# Allegro board A733_PRO2_AXP318_LPDDR4_4X_200BALL_32X1_V1_1.brd (continued)
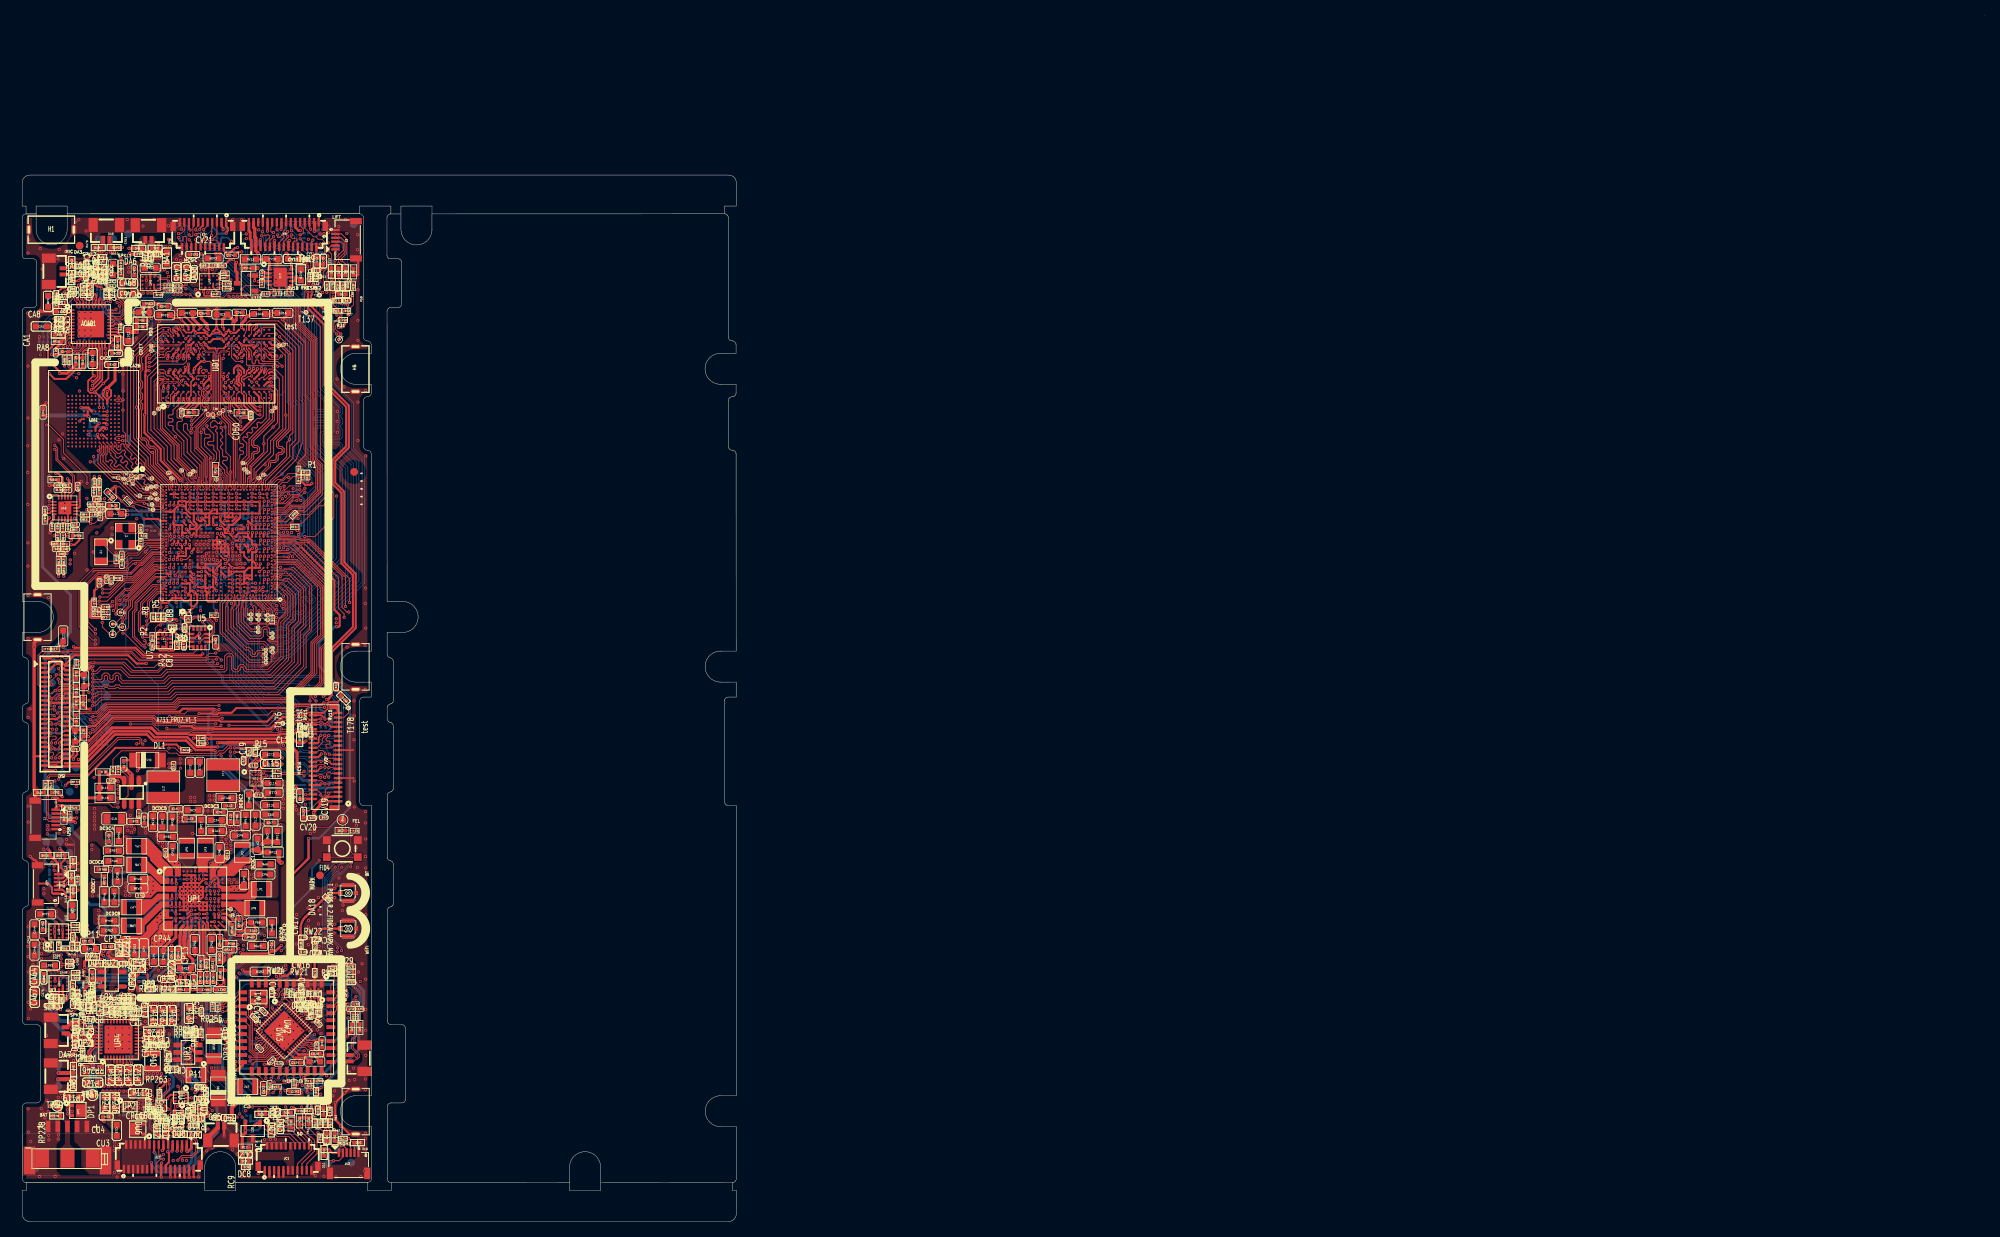
[diagram p0: board, top side]
## Routing (per net, layer and track width the routed paths; a pad name or vN(x,y) marks a point on that pad's centre or on a via; arc(x,y) is an arc through that point) (continued)
  L4 w0.254: v1(9.05,108.41) 8.86,108.41 8.05,107.59 8.05,107.15 6.28,105.38 6.28,94.12 7.2,93.2 7.2,75.01 10.01,72.19 10.01,60.71 7.51,58.2 7.51,51.4 6.48,50.38 6.48,48.56 4.34,46.42 3.92,46.42 3.86,46.35 v1(3.84,46.35)
  BOTTOM w0.305: v1(3.84,46.35) 3.5,46.01 CA31.1 2.95,46.44 RA74.1
HPOUTR-1: length 6.5
  TOP w0.254: DA13.2 5.96,45.77 v1(5.9,45.83) 5.81,45.75 5.81,44.26 5.35,43.8 JA7.3
  BOTTOM w0.254: RA75.2 5.9,45.83 v1(5.9,45.83) 6,45.83 6.07,45.9 6.08,45.9 6.41,46.23 6.41,47.23 TP99.1
HPOUTR-2: length 118.7
  TOP w0.203: UA1.19 10.26,112.89 10.33,112.82 10.33,108.58 9.22,107.47 9.05,107.47 v1(8.92,107.34)
  TOP w0.254: UU3.9 v1(21.83,15.95)
  L3 w0.254: v1(21.83,15.95) 20.39,15.95 19.67,16.68 18.19,16.68 17.01,17.86 15.52,17.86 13.83,19.54 10.65,19.54 7.74,22.45 7.08,22.45 4.97,24.56 4.97,25.07 2.89,27.15 2.89,32.43 3.93,33.47 3.93,36.55 3.65,36.83 3.65,41.05 4.2,41.6 4.2,44.14 3.9,44.45 3.9,45.09 v1(4.13,45.32)
  L4 w0.254: v1(4.13,45.32) 4.23,45.42 4.37,45.42 7.21,48.26 7.21,50.05 8.24,51.08 8.24,57.91 10.73,60.4 10.73,72.52 7.91,75.34 7.91,93.57 6.99,94.49 6.99,105.04 8.78,106.83 8.78,107.2 v1(8.92,107.34)
  BOTTOM w0.254: RA75.1 4.74,45.23 CA29.1 4.23,45.22 v1(4.13,45.32)
HS-MIC-1: length 4.3
  TOP w0.254: DA16.2 6.44,41.82 v1(5.86,41.82) 5.61,42.07 5.61,42.39 5.2,42.8 JA7.5
  BOTTOM w0.102: TP100.1 6.18,41.46 5.86,41.78 v1(5.86,41.82) 5.12,41.82 RA72.2
HS-MIC-2: length 128.5
  TOP w0.102: v1(22.46,13.93) 22.6,14.07 UU2.C3
  L4 w0.102: v1(22.46,13.93) 22.46,16.22 22.79,16.55 22.79,17.81 22.3,18.3 19.86,18.3 19.35,17.8 19.35,17.54 19.14,17.34 17.15,17.34 16.8,17.69 15.31,17.69 14.3,18.71 9.87,18.71 5.62,22.95 5.62,24.9 3.11,27.41 3.11,33.75 3.35,33.99 3.35,39.79 v1(4.36,40.8) 4.36,41.18 3.72,41.82 3.72,42.66 2.65,43.73 2.65,46.85 3.76,47.96 3.76,51.24 2.98,52.02 2.98,66.99 2.94,67.03 2.94,72.76 6.26,76.08 6.26,83.87 5.71,84.42 5.24,84.42 1.66,88 1.66,111.12 v1(2.34,111.81)
  BOTTOM w0.102: v1(4.36,40.8) 4.36,40.82 4.48,40.93 RA72.1 ; RA30.1 4.19,116.88 3.59,116.88 2.38,115.67 2.38,115.15 2.39,115.14 2.39,115.11 2.48,115.02 2.51,115.02 RA31.2 2.7,114.24 CA30.1 2.78,113.52 CA34.1 2.71,113.3 2.34,112.94 v1(2.34,111.81)
I2S0-BCLK: length 90
  TOP w0.076: 32.98,90.49 32.9,90.56 32.41,90.56 U1.AG2
  TOP w0.102: 32.98,90.49 33.66,90.49 34.93,91.76 36.24,91.76 38.49,94 38.49,97.62 37.8,98.31 37.8,113.85 35.63,116.03 35.63,118.22 35.16,118.69 28.93,118.69 v1(28.23,119.39) ; v1(12.53,118.13) 12.61,118.06 12.61,117.31 12.48,117.18 UA1.29 ; v1(3.48,92.92) 3.54,92.86 UA6.1
  L4 w0.102: v1(3.48,92.92) 2.91,93.49 2.91,99.9 4.57,101.56 4.57,105.33 8.61,109.37 10.24,111.01 10.24,112.93 11.4,114.08 11.4,117.55 11.98,118.13 v1(12.53,118.13) 15.29,118.13 15.56,118.41 27.25,118.41 v1(28.23,119.39)
I2S0-DIN0: length 92.4
  TOP w0.076: U1.AJ2 32.89,91.6 32.97,91.68
  TOP w0.102: UA6.3 3.64,92.06 v1(3.48,91.91) ; UA1.27 11.77,116.38 11.95,116.56 12.71,116.56 13.19,117.04 13.19,118.27 12.68,118.78 12.67,118.78 12.47,118.99 12.34,118.99 v1(12.24,119.09) ; v1(26.66,119.37) 27.95,118.08 34.89,118.08 35.02,117.96 35.02,117.01 35.02,115.76 37.19,113.59 37.19,98.05 37.87,97.37 37.87,94.32 35.97,92.43 34.68,92.43 33.93,91.68 32.97,91.68
  L4 w0.102: v1(3.48,91.91) 2.5,92.89 2.5,100.2 4.16,101.87 4.16,105.51 9.84,111.19 9.84,113.09 10.99,114.25 10.99,117.74 11.88,118.63 11.88,118.73 v1(12.24,119.09) 12.54,118.78 12.68,118.78 12.81,118.66 15.23,118.66 15.59,119.01 26.31,119.01 v1(26.66,119.37)
I2S0-DOUT0: length 60.2
  TOP w0.076: 32.97,91.44 32.44,91.44 32.2,91.2 U1.AH2
  TOP w0.102: v1(27.21,119.37) 28.29,118.29 34.98,118.29 35.22,118.04 35.22,117.11 35.22,117.11 35.22,115.85 37.4,113.68 37.4,98.13 38.08,97.45 38.08,94.2 36.12,92.25 34.76,92.25 33.95,91.44 32.97,91.44 ; v1(13.01,119.01) 13.02,119 13.02,118.76 13.47,118.31 13.47,116.89 12.91,116.33 12.01,116.33 11.66,115.98 UA1.26
  L4 w0.102: v1(27.21,119.37) 27.21,119.42 26.91,119.72 26.5,119.72 26.02,119.24 14.59,119.24 14.37,119.02 13.01,119.02 v1(13.01,119.01)
I2S0-LRCK: length 91.2
  TOP w0.102: UA6.2 3.53,92.46 v1(3.48,92.41) ; v1(12.24,118.58) 12.59,118.58 12.99,118.19 12.99,117.13 12.64,116.78 UA1.28 ; U1.AH1 33.97,91.2 34.83,92.06 36.25,92.06 38.29,94.09 38.29,97.53 37.6,98.22 37.6,113.77 35.43,115.94 35.43,118.13 35.07,118.49 28.62,118.49 v1(27.72,119.39)
  L4 w0.102: v1(27.72,119.39) 27.72,119.37 27.13,118.78 15.65,118.78 15.27,118.4 12.77,118.4 12.59,118.58 v1(12.24,118.58) 12.16,118.58 11.92,118.34 11.89,118.34 11.2,117.64 11.2,114.17 10.04,113.01 10.04,111.1 4.36,105.42 4.36,101.78 2.71,100.12 2.71,93.19 v1(3.48,92.41)
I2S0-MCLK: length 85.7
  TOP w0.102: v1(28.79,119.42) 29.31,118.89 35.24,118.89 35.83,118.3 35.83,116.12 38.01,113.94 38.01,98.4 38.69,97.71 38.69,93.75 36.49,91.55 35.37,91.55 RA99.1 ; v1(12.11,117.7) 12.06,117.7 11.94,117.58 UA1.30 ; v1(3.48,93.43) 3.51,93.43 3.89,93.82 4.54,93.82 4.71,93.65 UA6.20
  L4 w0.102: v1(3.48,93.43) 3.11,93.8 3.11,99.81 4.77,101.47 4.77,105.24 11.13,111.61 11.13,113.53 11.6,114 11.6,117.2 v1(12.11,117.7) 15.15,117.7 15.53,118.08 27.45,118.08 v1(28.79,119.42)
LCD-FMASK: length 46.2
  TOP w0.102: v1(25.38,66.57) 20.29,66.57 19.78,66.06 11.12,66.06 9.39,64.34 v1(9.11,64.34) ; v1(4.85,66.36) 4.87,66.33 JL1.20
  TOP w0.114: U1.1C1 31.61,82.37 31.61,82.71 v1(31.75,82.85)
  L4 w0.102: v1(31.75,82.85) 31.75,80.83 31.15,80.22 29.81,80.22 28.48,78.89 28.48,72.5 25.38,69.4 v1(25.38,66.57)
  BOTTOM w0.102: RL42.1 10.27,62.65 9.56,63.36 9.56,63.89 v1(9.11,64.34) 8.6,64.34 RL43.2 7.91,65.03 7.91,65.05 7.19,65.76 6.42,65.76 6.15,66.03 5.25,66.03 5.07,66.2 5,66.2 v1(4.85,66.36)
LCD-PWM: length 47
  TOP w0.102: U1.1L1 31.62,86.69 v1(31.75,86.81) ; RL8.1 11.7,59.63 12.81,60.73 18.64,60.73 18.94,60.43 19.92,60.43 20.25,60.1 25.18,60.1 25.31,60.23 25.31,60.24 25.51,60.44 25.99,60.44 26.68,61.12 v1(26.89,61.12)
  L4 w0.102: 30.54,74.32 31.68,75.46 31.68,75.85
  L4 w0.114: 30.54,74.32 30.54,71.12 27.44,68.02 27.44,62.76 26.89,62.22 v1(26.89,61.12) ; 31.68,75.85 33.28,77.45 33.28,82.7 32.9,83.07 32.9,85.66 v1(31.75,86.81)
LCD-RST: length 56.1
  TOP w0.102: v1(31.24,86.79) 31.12,86.68 U1.1L2 ; v1(7.89,61.19) 7.96,61.12 8.48,61.12 11.89,64.54 16.7,64.54 17.2,64.03 19.93,64.03 20.16,64.26 21.95,64.26 22.3,63.92 24.77,63.92 24.82,63.87 25.48,63.87 v1(25.64,64.02) ; JL1.19 3.49,66.63 3.63,66.5 v1(4.16,66.5)
  L4 w0.102: v1(25.64,64.02) 25.64,64.26 26.16,64.78 26.16,68.92 29.27,72.03 29.27,75.7 29.84,76.28 29.84,78.85 30.42,79.42 31.34,79.42 32.57,80.66 32.57,85.51 31.61,86.47 31.55,86.47 v1(31.24,86.79)
  BOTTOM w0.102: v1(4.16,66.5) 4.16,66.46 4.05,66.34 4.03,66.34 3.83,66.14 3.83,66.13 3.77,66.06 3.77,65.13 4.26,64.64 4.89,64.64 5.4,64.12 CL16.1 5.59,63.72 7.1,62.21 7.15,62.21 7.88,61.48 7.88,61.2 v1(7.89,61.19)
LDOIN/RSTN: length 4
  TOP w0.102: UA1.36 8.66,119.01 8.66,119.02 v1(8.66,119.05) 8.5,119.2 8.5,119.21 8.04,119.68 RA18.2
  BOTTOM w0.102: RA20.1 8.92,119.69 RA17.1 8.95,119.35 v1(8.66,119.05) 8.59,118.98 CA17.1
LINEINL/MICIN4N: length 3
  TOP w0.102: UA1.4 5.9,116.38 5.84,116.32 5.63,116.32 v1(5.61,116.29) 5.52,116.29 5.07,115.85 CA32.1
  BOTTOM w0.102: v1(5.61,116.29) 5.46,116.14 5.41,116.14 5.11,115.84 RA85.2
LINEINR/MICIN4P: length 3.7
  TOP w0.102: CA28.1 5.23,116.49 5.54,116.8 v1(5.58,116.8) 5.74,116.8 5.75,116.78 UA1.3
  BOTTOM w0.102: RA86.2 4.44,115.66 v1(5.58,116.8)
LRADC0: length 162.6
  TOP w0.076: v1(21.07,82.7) 20.78,82.7 U1.1D23
  TOP w0.102: R50.1 38.44,12.93 R51.1 39.11,13.49 D7.2 38.46,13.76 C110.1 38.03,14.1 37.69,14.44 37.69,14.87 37.88,15.06 R49.2 38.4,16.5 v1(38.49,16.41) ; v1(38.98,66.33) 36.99,66.33 36.89,66.43 35.3,66.43 34.73,65.86 32.19,65.86 31.68,65.35 25.57,65.35 25.37,65.15 22.66,65.15 22.58,65.23 19.74,65.23 19.66,65.15 v1(19.02,65.15) ; v1(41.96,118.24) 41.84,118.35 41.02,118.35 40.86,118.51 R27.2
  TOP w0.114: R25.1 R26.1 41.73,120.01 D1.2 41.59,119.49 C86.1 R27.2
  L4 w0.102: v1(19.02,65.15) 19.02,65.32 20.06,66.36 20.06,76.8 21.01,77.75 21.01,80.13 20.57,80.57 20.57,82.2 v1(21.07,82.7) ; v1(38.49,16.41) 40.37,18.29 40.37,20.62 42.79,23.05 42.79,27.65 43.72,28.57 43.72,30.12 42.84,31 42.2,31 39.38,33.82 39.38,34.95 39.82,35.39 39.82,52.44 38.65,53.61 38.65,54.32 39.09,54.75 39.09,55.47 39.25,55.64 39.6,55.64 40.15,56.2 40.15,65.43 40.04,65.54 40.04,65.54 39.48,66.1 39.21,66.1 v1(38.98,66.33) 39.23,66.33 39.95,67.06 39.95,68.02 39.27,68.7 39.27,73.76 41.16,75.65 41.16,88.54 41.09,88.61 41.09,96.44 38.9,98.64 38.9,111.49 41.66,114.25 41.66,117.94 v1(41.96,118.24)
MBIAS: length 14.6
  TOP w0.102: v1(7.64,119.06) 7.86,118.84 UA1.38
  TOP w0.254: v1(5.43,120.47) 5.18,120.47 4.5,119.79 RA5.2 ; v1(12.76,124.28) 12.73,124.25 RA19.2
  L4 w0.254: v1(12.76,124.28) 10.12,121.64 10.12,121.27 8.59,119.75 8.11,119.75 7.64,119.28 7.64,119.25 ; 7.64,119.25 7.28,119.61 6.7,119.61 5.84,120.47 v1(5.43,120.47) ; 7.64,119.25 v1(7.64,119.06)
  BOTTOM w0.203: CA15.2 7.94,118.36 CA5.2 7.95,118.68 7.74,118.89 7.74,118.96 v1(7.64,119.06)
MBIAS1: length 1.7
  TOP w0.254: UA6.5 4.12,90.67 3.74,90.29 3.74,89.93 CA91.1
MBIAS2: length 3.1
  TOP w0.254: CA92.1 7.41,94.33 7.41,93.09 7.44,93.06 7.44,92.26 7.41,92.24 7.41,92.21 7.26,92.06 UA6.13
MCSI-MCLK: length 79.3
  TOP w0.102: v1(24.43,127.24) 24.43,128.12 24.51,128.19 JV3.7 ; v1(23.1,124.84) 23.02,124.76 CV21.1 ; JV1.7 36.43,128.18 37.56,127.05 37.86,127.05 38.17,126.73 38.66,126.73 38.96,126.43 38.96,125.02 39.4,124.57 v1(39.4,124.57) 39.17,124.34 CV2.1 39.32,123.84 39.32,123.04 39.04,122.76 39.04,122.75 38.86,122.57 38.86,121.04 38.85,121.03 38.85,120.71 38.43,120.29 36.74,120.29 36.37,119.92 36.37,117.52 T137.1 38.45,115.44 38.45,98.54 39.1,97.89 39.1,95.05 40.18,93.97 40.18,90.82 37.74,88.38 v1(36.44,88.38)
  L3 w0.102: v1(23.1,124.84) 23.91,125.65 23.91,126.72 v1(24.43,127.24)
  L4 w0.102: v1(24.43,127.24) 26.07,127.24 26.16,127.15 27.39,127.15 28.43,126.11 35.1,126.11 36.85,124.36 37.92,124.36 38.13,124.57 v1(39.4,124.57)
  BOTTOM w0.102: v1(36.44,88.38) 36.41,88.34 36.41,86.79 34.74,85.13 32.81,85.13 32.29,84.61 32.29,83.84 31.76,83.31 RV1.2
MCSI-MCLK-2: length 40.1
  TOP w0.102: JV2.7 39.44,56.02 39.09,55.66 39.09,55.1 36.96,52.98 CV20.1 36.29,53.22 35.31,54.2 35.31,55.36 34.82,55.85 v1(34.82,56.58) ; v1(32.71,77.41) 32.71,77.41 RV26.2
  L4 w0.102: v1(32.71,77.41) 32.71,77.34 31.3,75.93 31.3,75.67 30.12,74.49 30.12,71.29 27.02,68.19 27.02,62.94 26.48,62.4 26.48,60.95 26.72,60.71 26.73,60.71 v1(26.84,60.59)
  BOTTOM w0.102: v1(26.84,60.59) 29.1,58.33 29.52,58.33 31.57,56.29 T159.1 34.53,56.29 v1(34.82,56.58)
MCSI-RST-F: length 42.4
  TOP w0.076: U1.B3 31.77,80.12 32.13,79.77 32.49,79.77 v1(32.82,79.44)
  TOP w0.102: JV2.5 39.73,55.42 39.57,55.26 v1(39.52,55.26)
  L4 w0.102: v1(26.86,60.07) 26.78,60.07 26.07,60.78 26.07,64.31 26.4,64.64 26.4,68.66 29.47,71.73 29.47,75.48 30.09,76.1 30.09,78.85 30.45,79.21 32.6,79.21 v1(32.82,79.44)
  BOTTOM w0.102: v1(26.86,60.07) 26.86,59.88 28.98,57.76 29.52,57.76 31.46,55.82 CV3.1 37.22,55.82 37.63,55.41 T158.1 39.37,55.41 v1(39.52,55.26) 39.52,55.21 39.51,55.2 RV4.2
MCSI-RST-R: length 56.5
  TOP w0.102: v1(37.19,128.03) 37.03,128.19 JV1.5 ; v1(33.66,79.64) 33.15,80.15 32.47,80.15 32.22,80.4 U1.A2 ; v1(38.01,120.78) 38.41,121.18 T133.1 38.23,122.09 RV2.2 37.6,122.33 CV1.1 37.41,122.89 37.41,124.69 37.47,124.75 v1(37.47,124.85)
  L4 w0.102: v1(39.54,91.26) 38.58,92.22 38.58,97.04 37.84,97.78 37.84,118.05 37.29,118.59 37.29,119.3 37.84,119.85 37.84,120.61 v1(38.01,120.78) ; v1(37.19,128.03) 36.32,127.15 36.32,126.01 36.44,125.88 v1(37.47,124.85)
  BOTTOM w0.102: v1(33.66,79.64) 34.21,80.19 T130.1 34.21,80.86 39.14,85.79 39.14,90.86 v1(39.54,91.26)
MCSI-RST-R2: length 128.2
  TOP w0.102: v1(26.66,64.02) 31.81,64.02 33.3,65.51 34.77,65.51 35.02,65.76 v1(36.33,65.76) ; JV3.4 25.41,126.25 25.03,126.63 24.56,126.63 v1(24.49,126.69) 25.11,127.31 JV3.5 ; v1(32.8,77.91) 32.29,78.42 32.29,78.81 30.97,80.12 U1.B5 ; JV1.4 37.33,126.47 v1(37.49,126.62)
  L4 w0.102: 39.99,122.44 38.53,122.44 38.37,122.6 30.11,122.6 26.02,126.69 v1(24.49,126.69) ; 39.99,122.44 41.17,122.44 41.54,122.07 41.54,120.93 41.4,120.79 41.4,114.71 41.44,114.66 41.44,114.32 38.67,111.55 38.67,98.45 40.51,96.61 40.51,93.62 v1(40.53,93.6) ; 39.99,122.44 39.99,125.58 39.73,125.83 39.35,125.83 38.73,126.45 37.65,126.45 v1(37.49,126.62) ; v1(36.33,65.76) 36.1,65.53 36.1,62.17 36.06,62.13 36.06,61.05 37.08,60.03 37.08,54.05 36.86,53.83 v1(36.49,53.83) ; v1(32.8,77.91) 32.67,77.91 32.23,77.47 32.23,77.24 31.58,76.59 31.44,76.59 29.71,74.87 29.71,71.51 26.6,68.4 26.6,64.08 v1(26.66,64.02)
  BOTTOM w0.102: v1(36.49,53.83) 36.49,53.69 36.86,53.33 CV16.1 37.1,53.41 RV5.1 ; T136.1 37.13,126.08 CV4.1 37.15,126.28 v1(37.49,126.62) ; CV22.1 25.14,126.28 RV22.2 24.75,126.95 v1(24.49,126.69) 24.37,126.58 CV23.1 ; v1(32.8,77.91) 33.64,77.91 35.34,79.62 35.34,80.37 40.53,85.56 v1(40.53,93.6)
MCSI-STBY-F: length 43.1
  TOP w0.102: JV2.6 38.03,55.72 38.49,55.26 38.49,55.04 v1(38.5,55.03) ; U1.1C5 v1(30.09,82.35)
  L4 w0.102: v1(25.66,60.08) 25.66,62.94 24.51,64.1 24.51,69.43 27.95,72.87 27.95,78.95 29.83,80.83 30.29,80.83 30.46,81 30.46,81.99 v1(30.09,82.35)
  BOTTOM w0.102: v1(25.66,60.08) 28.42,57.33 29.66,57.33 31.48,55.5 36.99,55.5 T155.1 37.46,55.03 v1(38.5,55.03) 38.79,54.74 RV6.2
MCSI-STBY-R: length 55.9
  TOP w0.076: U1.B2 32.17,80.74 31.94,80.5 31.94,80.3 32.29,79.95 32.98,79.95 33.29,79.63 33.29,79.39 33.56,79.12 v1(33.65,79.12)
  TOP w0.102: JV1.10 35.53,125.33 T139.1 37.21,123.66 37.21,122.14 RV3.2 37.13,122.1 36.6,121.56 36.6,120.91 36.8,120.7 37.29,120.7 v1(37.51,120.92)
  L4 w0.102: v1(39.54,90.74) 38.38,91.91 38.38,96.95 37.64,97.69 37.64,117.74 36.49,118.89 36.49,120.05 37.01,120.56 37.15,120.56 v1(37.51,120.92)
  BOTTOM w0.102: v1(39.54,90.74) 39.54,85.76 34.64,80.86 34.64,80.11 v1(33.65,79.12)
MCSI-STBY-R2: length 70.1
  TOP w0.102: U1.D1 32.76,81.6 v1(33.69,80.68) ; v1(23.4,126.72) 23.61,126.51 JV3.10
  L4 w0.102: v1(23.4,126.72) 23.98,126.72 24.14,126.57 24.14,126.54 24.34,126.34 26.08,126.34 27.67,124.75 27.67,124.75 30.06,122.36 38.32,122.36 38.51,122.18 41.04,122.18 41.33,121.88 41.33,121.01 41.13,120.81 41.13,115.19 40.79,114.86 40.33,114.86 38.04,112.57 38.04,97.87 38.79,97.12 38.79,92.54 v1(39.54,91.79)
  BOTTOM w0.102: v1(39.54,91.79) 38.92,91.17 38.92,85.91 v1(33.69,80.68) ; v1(23.4,126.72) 23.57,126.72 23.83,126.99 23.83,127.33 24.27,127.77 RV23.2
MCSIA-CKN: length 35
  TOP w0.102: v1(29.12,81.74) 29.01,81.85 U1.1B7 ; JV2.12 38.2,57.52 38.35,57.67 38.65,57.67 v1(39.01,57.31)
  BOTTOM w0.102: T163.1 39.84,61.41 ; 39.84,61.41 39.67,61.58 38.65,61.58 37.52,62.71 37.52,63.38 35.38,65.53 35.38,66.8 33.57,68.6 31.24,68.6 28.91,70.93 28.91,74.43 27.71,75.64 27.71,78.59 27.92,78.8 27.92,79.91 28.67,80.66 28.67,81.01 28.73,81.07 28.73,81.35 29.11,81.74 v1(29.12,81.74) ; 39.84,61.41 40.11,61.14 40.11,58.43 39.16,57.47 39.16,57.47 v1(39.01,57.31)
MCSIA-CKP: length 35
  TOP w0.102: U1.1A7 28.62,81.16 28.73,81.05 28.95,81.05 v1(29.12,81.23) ; JV2.13 39.83,57.82 39.65,58 39.47,58 39.23,57.76 39.23,57.62 39.52,57.33 v1(39.52,57.33)
  BOTTOM w0.102: T164.1 40.42,58.93 ; 40.42,58.93 40.42,58.3 39.52,57.4 v1(39.52,57.33) ; 40.42,58.93 40.42,61.26 39.8,61.89 38.78,61.89 37.83,62.84 37.83,63.51 35.68,65.66 35.68,66.93 33.7,68.91 31.36,68.91 29.22,71.05 29.22,74.56 28.01,75.77 28.01,78.46 28.23,78.68 28.23,79.78 28.98,80.53 28.98,80.89 29.04,80.95 29.04,80.95 29.12,81.04 v1(29.12,81.23)
MCSIA-D0N: length 37.2
  TOP w0.102: v1(39.54,58.57) 40.03,58.57 40.18,58.42 JV2.15
  TOP w0.114: U1.1D11 26.64,82.87 27.03,82.87 27.12,82.78 v1(27.12,82.78)
  BOTTOM w0.102: 34.68,62.33 34.68,63.18 33.26,64.6 32.18,64.6 26.78,70 26.78,73.38 25.5,74.66 25.5,82.46 25.81,82.78 v1(27.12,82.78) 27.4,82.78 T61.1 ; 34.68,62.33 34.68,60.4 35.35,59.73 36.52,59.73 37.65,58.6 37.65,58.23 38.11,57.77 38.88,57.77 39.49,58.38 39.49,58.52 v1(39.54,58.57) ; 34.68,62.33 T165.1
MCSIA-D0P: length 37.3
  TOP w0.102: U1.1C11 27.04,82.35 v1(27.12,82.27) ; JV2.16 37.95,58.72 38.2,58.97 38.91,58.97 39.03,58.84 v1(39.03,58.6)
  BOTTOM w0.102: T166.1 37.86,58.99 37.77,58.91 ; 37.77,58.91 37.95,58.72 37.95,58.36 38.23,58.08 38.76,58.08 39.03,58.35 39.03,58.59 v1(39.03,58.6) ; 37.77,58.91 36.65,60.03 35.48,60.03 34.98,60.53 34.98,63.31 33.38,64.91 32.3,64.91 27.08,70.13 27.08,73.51 25.8,74.79 25.8,82.33 25.94,82.47 26.12,82.47 26.23,82.36 26.23,82.07 26.31,81.99 26.56,81.99 26.66,82.09 26.66,82.4 26.74,82.47 26.92,82.47 v1(27.12,82.27) 27.43,82.27 T62.1
MCSIA-D1N: length 31.9
  TOP w0.102: v1(38.54,59.38) 38.46,59.46 38.11,59.46 37.96,59.32 JV2.18 ; U1.1B11 26.69,81.91 26.95,81.91 v1(27.12,81.74)
  BOTTOM w0.102: 35.96,60.69 35.86,60.59 T167.1 ; 35.96,60.69 35.67,60.98 35.67,63.21 33.61,65.26 33.61,66.19 33.1,66.7 31.1,66.7 27.49,70.31 27.49,73.71 26.22,74.98 26.22,80.83 26.7,81.32 26.7,81.64 26.8,81.74 v1(27.12,81.74) ; 35.96,60.69 36.18,60.48 36.94,60.48 37.75,59.66 38.34,59.66 38.46,59.54 38.46,59.46 v1(38.54,59.38)
MCSIA-D1P: length 31.9
  TOP w0.102: JV2.19 40.58,59.77 39.45,59.77 v1(39.05,59.38) ; U1.1A11 27,81.35 v1(27.12,81.23)
  BOTTOM w0.102: v1(27.12,81.23) 27.05,81.23 26.52,80.7 26.52,75.11 27.79,73.84 27.79,70.43 31.22,67 33.23,67 33.92,66.32 33.92,65.86 ; T168.1 33.92,65.86 ; 33.92,65.86 33.92,65.39 35.97,63.33 35.97,61.11 36.3,60.78 37.07,60.78 37.88,59.97 38.46,59.97 38.77,59.66 38.77,59.66 v1(39.05,59.38)
MCSIA-D2N: length 30.6
  TOP w0.102: v1(39.59,60.3) 39.61,60.3 39.69,60.22 JV2.21 ; v1(28.12,81.74) 28.01,81.85 U1.1B9
  BOTTOM w0.102: 31.78,67.92 31.34,67.92 28.51,70.75 28.51,74.24 27.25,75.5 27.25,78.82 27.63,79.2 27.63,80.04 28.46,80.86 28.46,81.41 v1(28.12,81.74) ; 31.78,67.92 33.36,67.92 34.97,66.31 34.97,65.35 36.99,63.33 36.99,62.57 38.51,61.05 39.11,61.05 39.42,60.74 39.42,60.5 39.59,60.32 v1(39.59,60.3) ; 31.78,67.92 T169.1
MCSIA-D2P: length 30.6
  TOP w0.102: v1(28.12,81.23) 28,81.35 U1.1A9 ; v1(39.09,60.34) 39.09,60.43 38.73,60.78 38.31,60.78 38.3,60.79 38.25,60.78 37.98,60.52 JV2.22
  BOTTOM w0.102: v1(28.12,81.23) 28.15,81.2 28.15,80.99 27.33,80.16 27.33,79.32 26.94,78.94 26.94,75.37 28.2,74.12 28.2,70.62 31.21,67.61 33.23,67.61 34.67,66.18 34.67,65.23 36.68,63.21 36.68,62.83 ; 36.68,62.83 T170.1 ; 36.68,62.83 36.68,62.45 38.39,60.74 38.98,60.74 39.11,60.62 39.11,60.36 v1(39.09,60.34)
MCSIA-D3N: length 36.4
  TOP w0.102: JV2.24 38.04,61.12 38.7,61.78 38.7,62.28 38.93,62.51 38.93,62.55 39.02,62.63 v1(39.02,62.73) ; U1.1E9 28.06,83.35 v1(28.12,83.3)
  BOTTOM w0.102: 36.99,69.11 36.98,69.13 T171.1 ; 36.99,69.11 38.86,69.11 40.79,67.18 40.79,62.89 40.2,62.31 39.42,62.31 39.16,62.57 39.16,62.59 v1(39.02,62.73) ; 36.99,69.11 36.46,69.11 35.84,69.73 31.73,69.73 29.94,71.52 29.94,74.99 28.61,76.33 28.61,78.13 28.79,78.31 28.79,79.62 29.76,80.59 29.76,82.53 29.36,82.93 28.86,82.93 28.59,83.19 28.22,83.19 v1(28.12,83.3)
MCSIA-D3P: length 36.4
  TOP w0.102: v1(39.53,62.71) 39.53,62.66 39.17,62.3 39.17,62.13 39.3,62 39.6,62 39.68,61.92 39.68,61.67 39.61,61.59 39.29,61.59 39.17,61.48 39.17,61.23 39.3,61.1 39.91,61.1 40.23,61.42 JV2.25 ; v1(28.12,82.78) 27.96,82.94 27.72,82.94 U1.1D9
  BOTTOM w0.102: v1(28.12,82.78) 28.23,82.89 28.47,82.89 28.73,82.62 29.24,82.62 29.46,82.41 29.46,80.72 28.48,79.75 28.48,78.43 28.3,78.26 28.3,76.2 29.64,74.87 29.64,71.39 31.6,69.43 35.71,69.43 36.33,68.81 38.73,68.81 40.26,67.29 ; 40.26,67.29 40.49,67.05 40.49,63.02 40.08,62.61 39.57,62.61 39.53,62.66 v1(39.53,62.71) ; 40.26,67.29 T172.1
MCSIB-CKN: length 82.9
  TOP w0.076: U1.B13 27.54,80.56 27.54,79.61 27.14,79.22 27.14,79.06 27.22,78.99 27.22,78.97
  TOP w0.102: 27.22,78.97 27.22,76.79 29.18,74.83 31.26,74.83 32.09,74 v1(32.3,74) ; v1(34.73,127.29) 34.66,127.23 34.66,126.99 34.79,126.86 35.29,126.86 35.44,126.71 35.44,126.58 35.36,126.49 35.06,126.49 34.93,126.36 JV1.12
  BOTTOM w0.102: 39.24,116.21 39.11,116.08 39.11,107.89 39.11,107.89 39.11,107.85 41.72,105.24 41.72,99.36 43.12,97.97 43.12,82.78 34.12,73.78 32.48,73.78 32.3,73.97 v1(32.3,74) ; 39.24,116.21 39.41,116.38 39.64,116.38 39.76,116.5 39.76,116.66 39.64,116.78 39.41,116.78 39.11,117.08 39.11,118.73 39.36,118.98 39.8,118.98 40.1,118.68 40.1,118.21 40.23,118.08 40.41,118.08 40.52,118.2 40.52,120.5 40.39,120.62 39.47,120.62 39.17,120.93 39.17,121.79 39.67,122.29 39.67,122.46 39.55,122.58 39.38,122.58 38.88,122.08 38.46,122.08 38.01,122.53 38.01,123.51 37.76,123.75 37.11,123.75 36.74,124.12 36.74,124.77 35.11,126.4 35.11,127.16 34.98,127.29 v1(34.73,127.29) ; 39.24,116.21 T140.1
MCSIB-CKP: length 82.9
  TOP w0.076: 26.91,78.97 26.91,78.99 26.99,79.06 26.99,79.28 27.38,79.67 27.38,80.5 27.37,80.51 U1.B14
  TOP w0.102: 26.91,78.97 26.91,76.66 29.05,74.52 31.14,74.52 32.18,73.48 v1(32.28,73.48) ; JV1.13 34.63,127.93 v1(34.73,127.84)
  BOTTOM w0.102: 40.83,120.31 40.83,118.07 40.53,117.78 40.1,117.78 39.8,118.09 39.8,118.55 39.67,118.68 39.49,118.68 39.41,118.6 39.41,117.21 39.53,117.09 39.77,117.09 40.06,116.79 40.06,116.37 39.77,116.07 39.53,116.07 39.41,115.95 39.41,108.01 39.42,107.97 42.02,105.37 42.02,99.49 43.42,98.09 43.42,82.66 34.24,73.48 v1(32.28,73.48) ; 40.83,120.31 40.83,120.62 40.52,120.93 39.6,120.93 39.47,121.06 39.47,121.66 39.98,122.17 39.98,122.59 39.68,122.89 39.26,122.89 38.75,122.38 38.58,122.38 38.31,122.66 38.31,123.63 37.89,124.05 37.23,124.05 37.04,124.24 37.04,124.9 35.43,126.52 35.43,127.29 34.88,127.84 v1(34.73,127.84) ; 40.83,120.31 40.84,120.29 T141.1
MCSIB-D0N: length 88
  TOP w0.076: 26.04,79.9 26.06,79.92 26.06,80.02 26.33,80.3 26.33,80.56 U1.B16
  TOP w0.102: JV1.15 34.03,128.11 33.71,127.79 33.71,127.61 33.84,127.48 34.02,127.48 v1(34.23,127.7) ; v1(31.44,72.68) 31.41,72.68 31.18,72.45 29.44,72.45 25.83,76.06 25.83,79.69 26.04,79.9
  BOTTOM w0.102: T142.1 41.1,117.45 ; 41.1,117.45 41.3,118.24 41.3,118.41 41.63,121.45 41.63,124.65 41.18,126.19 40.22,127.37 39.26,128.34 38.5,128.74 36.73,128.74 36.6,128.61 36.6,128.34 36.48,128.22 36.31,128.22 36.19,128.34 36.19,128.61 36.07,128.73 35.86,128.73 35.74,128.61 35.74,128.36 35.62,128.24 35.45,128.24 35.33,128.36 35.33,128.61 35.21,128.73 35.05,128.73 34.93,128.61 34.93,128.38 34.81,128.26 34.64,128.26 34.52,128.38 34.52,128.61 34.4,128.73 34.17,128.73 34.04,128.6 34.04,127.89 v1(34.23,127.7) ; 41.1,117.45 40.89,116.64 40.28,115.95 39.82,114.78 39.82,108.15 42.43,105.54 42.43,99.67 43.83,98.27 43.83,82.48 34.52,73.17 34.43,73.1 32.24,72.55 31.56,72.55 v1(31.44,72.68)
MCSIB-D0P: length 88
  TOP w0.076: 25.83,80.12 25.84,80.13 25.95,80.13 26.18,80.36 26.18,80.79 U1.B17
  TOP w0.102: 25.83,80.12 25.52,79.81 25.52,75.93 29.31,72.14 v1(31.44,72.14) ; v1(34.25,127.11) 34.25,126.95 33.73,126.43 JV1.16
  BOTTOM w0.102: T143.1 40.13,113.72 ; 40.13,113.72 40.13,114.72 40.55,115.78 41.17,116.49 41.6,118.2 41.6,118.4 41.93,121.43 41.93,124.69 41.46,126.33 40.45,127.58 39.44,128.58 38.58,129.04 34.04,129.04 33.82,128.81 33.82,127.54 v1(34.25,127.11) ; 40.13,113.72 40.13,108.27 42.74,105.66 42.74,99.79 44.13,98.4 44.13,82.35 34.72,72.94 34.57,72.82 32.28,72.25 31.54,72.25 v1(31.44,72.14)
MCSIB-D1N: length 81.2
  TOP w0.076: 26.55,79.26 26.55,79.28 26.48,79.35 26.48,79.76 26.82,80.11 26.82,80.25 U1.A15
  TOP w0.102: JV1.18 33.13,126.3 33.74,126.92 33.74,127.1 33.61,127.23 33.46,127.23 33.17,126.94 33,126.94 32.93,127.01 v1(32.93,127.29) ; v1(31.42,73.74) 31.35,73.67 30.35,73.67 30.08,73.41 30.08,73.25 30.01,73.18 29.79,73.18 29.71,73.25 29.71,73.62 29.29,74.04 28.92,74.04 26.55,76.41 26.55,79.26
  BOTTOM w0.102: T144.1 33.54,126.78 ; 33.54,126.78 33.27,127.05 33.17,127.05 v1(32.93,127.29) ; 33.54,126.78 33.74,126.58 33.74,126.25 34.91,125.08 35.36,125.08 35.9,124.55 35.9,123.15 37.73,121.32 38.11,121.32 38.39,121.04 38.39,120.62 37.82,120.05 37.82,119.47 38.39,118.9 38.39,107.58 38.4,107.57 38.4,107.54 41,104.94 41,104.38 40.79,104.17 40.79,103.63 41,103.42 41,103.07 40.73,102.8 40.73,102.31 41,102.03 41,101.36 40.88,101.24 39.94,101.24 39.64,100.95 39.64,100.53 39.94,100.23 40.88,100.23 41,100.11 41,99.06 42.4,97.66 42.4,83.08 34.22,74.9 33.78,74.9 33.37,74.5 33.03,74.5 32.62,74.9 32.18,74.9 31.57,74.3 31.57,73.89 v1(31.42,73.74)
MCSIB-D1P: length 81.2
  TOP w0.076: 26.25,79.26 26.25,79.28 26.33,79.35 26.33,79.83 26.67,80.17 26.67,80.31 U1.A16
  TOP w0.102: v1(32.86,127.96) 32.83,127.99 JV1.19 ; 26.25,79.26 26.25,76.28 28.8,73.74 29.17,73.74 29.41,73.5 29.41,73.12 29.66,72.87 30.14,72.87 30.39,73.12 30.39,73.28 30.48,73.37 31.25,73.37 v1(31.42,73.2)
  BOTTOM w0.102: 34.85,125.57 35.03,125.39 35.49,125.39 36.2,124.67 36.2,123.28 37.85,121.63 38.23,121.63 38.69,121.17 38.69,120.5 38.12,119.93 38.12,119.6 38.69,119.03 38.69,107.71 38.7,107.69 38.7,107.67 41.31,105.07 41.31,104.25 41.09,104.04 41.09,103.76 41.31,103.54 41.31,102.95 41.03,102.67 41.03,102.44 41.31,102.16 41.31,101.24 41.01,100.94 40.07,100.94 39.95,100.82 39.95,100.65 40.07,100.53 41.01,100.53 41.31,100.24 41.31,99.19 42.7,97.79 42.7,82.96 34.35,74.6 33.9,74.6 33.5,74.19 32.9,74.19 32.5,74.6 32.3,74.6 31.88,74.17 31.88,73.66 v1(31.42,73.2) ; 34.85,125.57 34.04,126.38 34.04,126.72 32.86,127.9 v1(32.86,127.96) ; 34.85,125.57 34.92,125.64 T145.1
